# Altium PCB base-32-bit.PcbDoc (part 3 of 3) (continued)
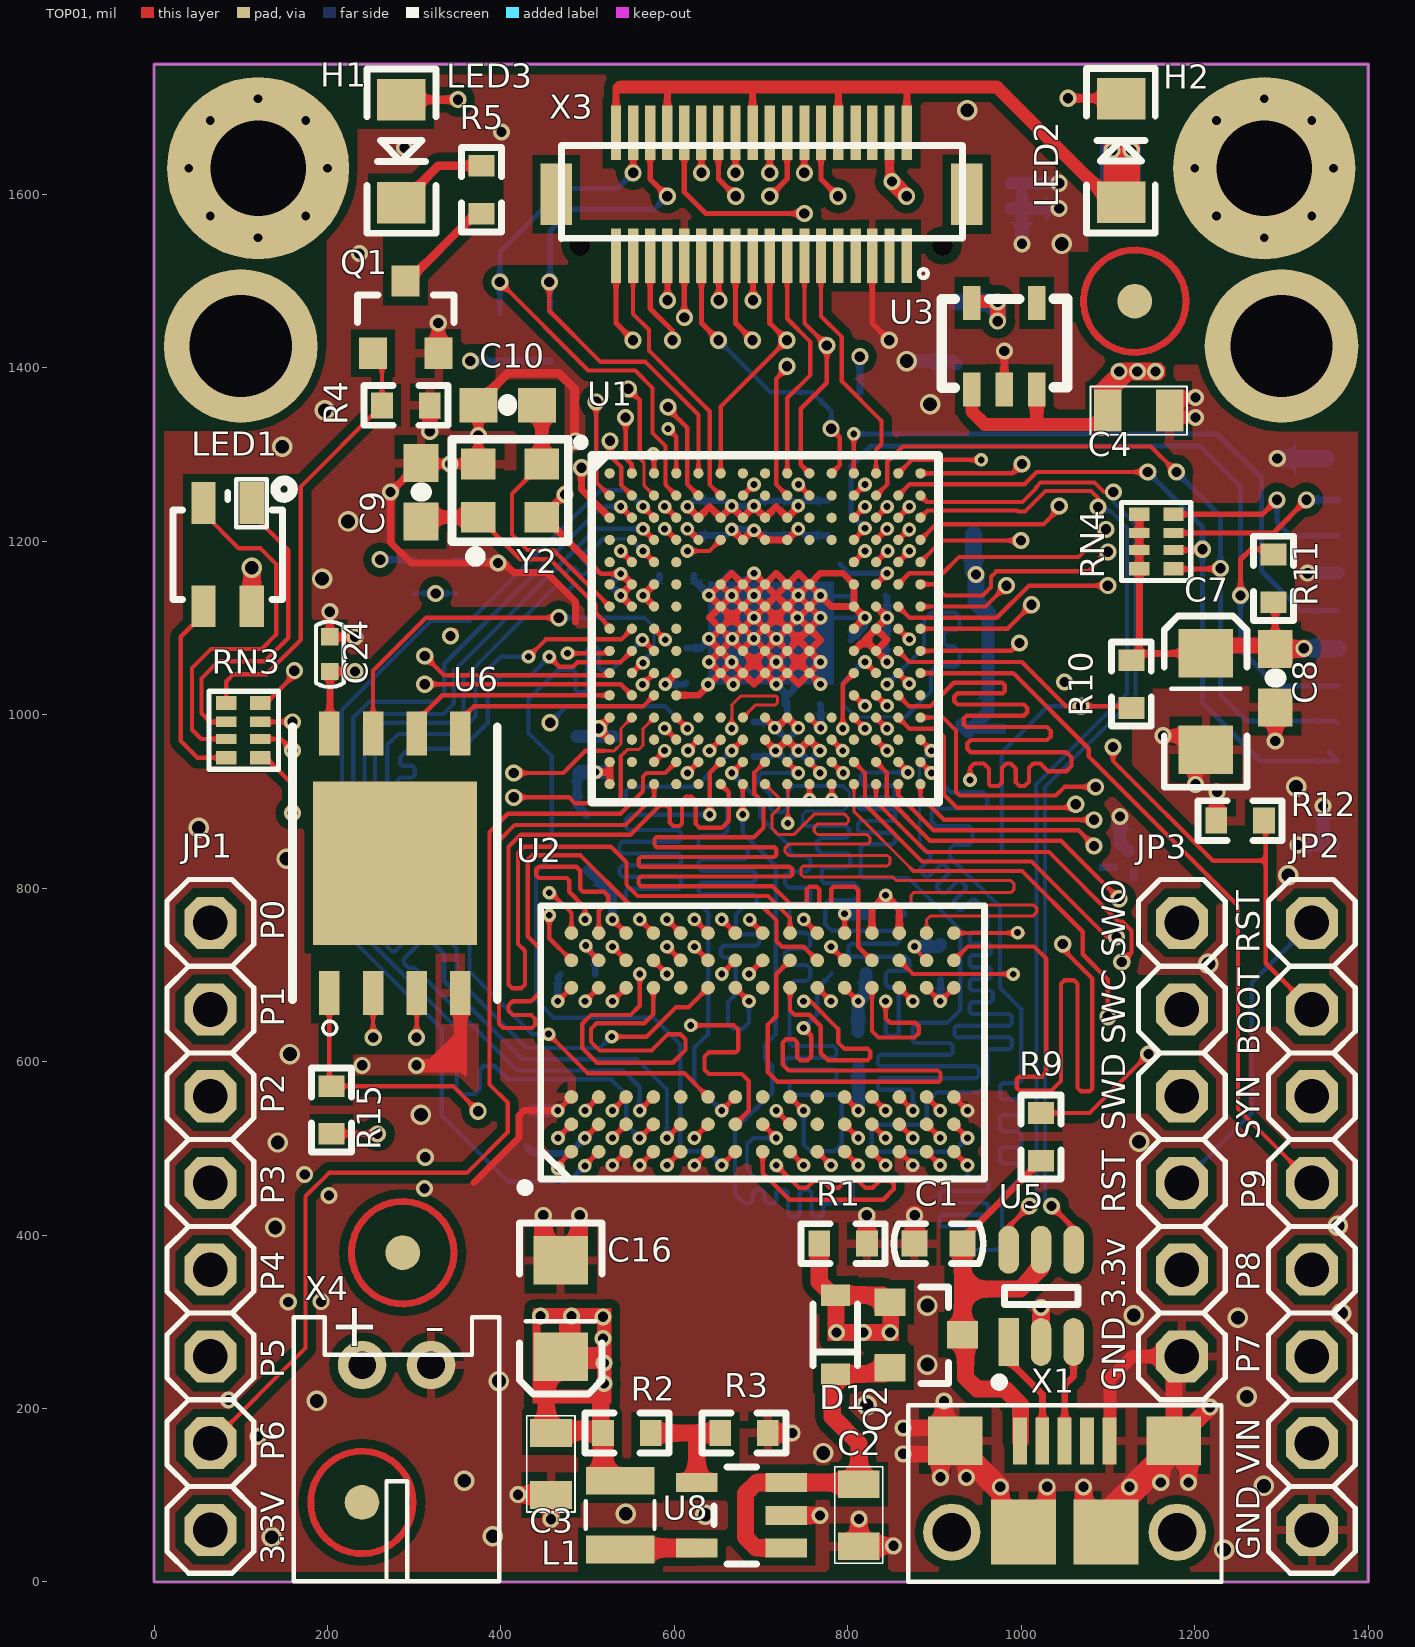
[diagram p0: TOP01 view]
## Nets (pads, with @x,y where several pads share a name; then routed paths per layer and width w, separated by ;. In a path a pad name is that pad's centre, name@x,y a point inside that pad or via, vN(x,y) a via of type N, cw(c..) or ccw(c..) an arc to the next point about the centre after c; other vN are vias at no path point) (continued)
  TOP01 w19.68: U8.1@728.95,39.29 694.16,39.29 681.76,51.69 681.76,101.69 694.76,114.69 U8.3@728.95,114.69 810.76,114.69 C2.2@812.76,112.69 812.76,159.69 782.02,190.43 782.02,239.72 841.37,239.72 Q2.2@848.65,247
SD_CD: R10.2 U1.J14 X2.CD$1 | length 522.9
  TOP01 w5: U1.J14@858.08,1073.47 870.88,1060.67 1000.37,1060.67 1051.35,1009.69 v2(1068.76,1009.69) 1124.76,1009.69 R10.2@1126.76,1007.69
  BOTT06 w5: X2.CD$1@977.36,842.8 977.36,956.29 1030.76,1009.69 v2(1068.76,1009.69)
SDIO_CLK: U1.A12 X2.P$5 | length 751.1
  TOP01 w5: v1(806.76,1323.69) 806.76,1278.33 U1.A12@806.9,1278.19
  BOTT06 w6.02: v1(806.76,1323.69) 1225.76,1323.69 1276.76,1272.69 1276.76,1165.69 1322.69,1119.76 X2.P$5@1365.16,1119.76
SDIO_CMD: R11.2 U1.D12 X2.P$3 | length 980.7
  TOP01 w5: U1.D12@806.9,1201.42 819.69,1214.22 v1(819.69,1214.94)
  TOP01 w6.02: v2(1252.76,1137.45) 1252.76,1178.69 1264.76,1190.69 R11.2@1294.76,1190.69
  BOTT06 w6.02: v1(819.69,1214.94) 803.76,1230.87 803.76,1286.69 826.76,1309.69 1205.76,1309.69 1252.76,1262.69 v2(1252.76,1137.45) 1252.76,1075.15 1294.76,1033.15 X2.P$3@1365.16,1033.15
SDIO_D0: RN4.8 U1.G14 X2.P$7 | length 727.3
  TOP01 w5: U1.G14@858.08,1124.65 871.04,1111.69 971.76,1111.69 1008.76,1148.69 v2(1099.76,1148.69)
  TOP01 w6.02: RN4.8@1175.45,1231.03 1278.1,1231.03 v2(1294.76,1247.69)
  SIG03 w5: v2(1099.76,1148.69) 1198.76,1247.69 v2(1294.76,1247.69)
  BOTT06 w6.02: v2(1294.76,1247.69) 1294.76,1221.69 1310.07,1206.38 X2.P$7@1365.16,1206.38
SDIO_D1: RN4.7 U1.F14 X2.P$8 | length 734.8
  TOP01 w5: U1.F14@858.08,1150.24 870.87,1163.03 909.42,1163.03 928.07,1181.69 1065.76,1181.69 v2(1097.76,1213.69)
  TOP01 w6: RN4.7@1175.45,1209.53 1290.6,1209.53 v2(1328.76,1247.69)
  SIG03 w5: v2(1097.76,1213.69) 1142.76,1213.69 1198.76,1269.69 1306.76,1269.69 v2(1328.76,1247.69)
  BOTT06 w8: v2(1328.76,1247.69) X2.P$8@1365.16,1247.72
SDIO_D2: RN4.6 U1.B14 X2.P$1 | length 823.3
  TOP01 w5: U1.B14@858.08,1252.6 871.17,1265.69 1003.76,1265.69 1017.76,1279.69 v2(1145.76,1279.69)
  TOP01 w6.02: RN4.6@1175.45,1189.69 1207.76,1189.69 v2(1208.76,1190.69)
  BOTT06 w6.02: v2(1145.76,1279.69) 1208.76,1216.69 v2(1208.76,1190.69) 1208.76,1013.69 1275.91,946.54 X2.P$1@1365.16,946.54 X2.P$1@1355.01,956.69
SDIO_D3: RN4.5 U1.B13 X2.P$2 | length 878.7
  TOP01 w5: U1.B13@832.49,1252.6 845.58,1265.69 845.58,1291.51 863.21,1309.14 1149.31,1309.14 v2(1178.76,1279.69)
  TOP01 w6.02: RN4.5@1175.45,1168.04 1229.11,1168.04 v2(1229.76,1168.69)
  BOTT06 w6.02: v2(1178.76,1279.69) 1229.76,1228.69 v2(1229.76,1168.69) 1229.76,1022.69 1259.76,992.69 1362.31,992.69 X2.P$2@1365.16,989.84
SPI2_MISO: JP1.2 U1.R14 | length 1781.5
  TOP01 w5: U1.R14@858.08,919.92 858.08,907.37 898.76,866.69 1065.76,866.69 v2(1083.76,848.69)
  SIG03 w5: JP1.2@65,660 202.76,522.24 202.76,491.25 303.32,390.69 911.76,390.69 1054.76,533.69 1054.76,673.25 1076.76,695.25 1076.76,776.22 1099.76,799.22 1099.76,832.69 v2(1083.76,848.69)
SPI2_MOSI: JP1.1 U1.R15 | length 1831
  TOP01 w5: U1.R15@883.67,919.92 883.67,905.78 910.76,878.69 v2(1083.76,878.69)
  SIG03 w5: JP1.1@65,760 214.76,610.24 214.76,496.22 309.29,401.69 903.76,401.69 1042.76,540.69 1042.76,678.22 1065.76,701.22 1065.76,860.69 v2(1083.76,878.69)
SPI2_NSS: JP1.4 U1.P12 | length 1834.3
  TOP01 w5: U1.P12@806.9,945.51 819.69,932.72 819.69,896.62 885.61,830.69 1011.76,830.69 1098.76,743.69 v2(1109.76,743.69)
  SIG03 w5: JP1.4@65,460 153.45,460 247.76,365.69 1049.76,365.69 1079.76,395.69 1079.76,663.69 1098.42,682.35 1098.42,732.35 v2(1109.76,743.69)
SPI2_SCLK: JP1.3 U1.P13 | length 1780
  TOP01 w5: U1.P13@832.49,945.51 844.76,933.24 844.76,904.69 894.76,854.69 1045.76,854.69 v2(1112.76,787.69)
  SIG03 w5: JP1.3@65,560 118.45,560 299.76,378.69 917.76,378.69 1065.76,526.69 1065.76,668.69 1087.93,690.86 1087.93,762.86 v2(1112.76,787.69)
SPI3_MISO: U1.A9 X3.15 | length 273.1
  TOP01 w5: X3.15@730,1529.13 730,1456.45 756.76,1429.69 756.76,1391.69 730.12,1365.05 U1.A9@730.12,1278.19
SPI3_MOSI: U1.A6 X3.17 | length 290.7
  TOP01 w5: U1.A6@653.35,1278.19 653.35,1355.36 v2(729.69,1431.69)
  TOP01 w6: X3.17@710,1529.13 710,1451.38 v2(729.69,1431.69)
SPI3_SCLK/TRACESWO: JP3.1 U1.A10 X3.13 | length 1179.8
  TOP01 w5: X3.13@750,1529.13 750,1451.38 v2(775.76,1425.62) 775.76,1382.69 745.76,1352.69 745.76,1288.15 U1.A10@755.72,1278.19
  SIG03 w5: v2(775.76,1425.62) 813.69,1387.69 902.76,1387.69 978.76,1311.69 978.76,1265.55 1054.76,1189.55 1054.76,1123.69 1185,993.45 1185,955.93 1167.76,938.69 1167.76,913.93 1185,896.69 JP3.1@1185,760
SPI3_SSEL: U1.A13 X3.11 | length 282.4
  TOP01 w5: X3.11@769,1529.13 769,1459.45 793.1,1435.35 793.1,1384.35 838.76,1338.69 838.76,1311.69 832.49,1305.42 U1.A13@832.49,1278.19
SW: L1.1 U8.5 | length 88.8
  TOP01 w19.68: L1.1@537.76,37.32 L1.1@539.73,39.29
  TOP01 w21.65: L1.1@539.73,39.29 U8.5@625.76,39.29
SWCLK: JP3.2 U1.A14 | length 831.9
  TOP01 w5: U1.A14@858.08,1278.19 873.58,1293.69 v1(953.76,1293.69)
  SIG03 w5: v1(953.76,1293.69) 953.76,1275.69 1042.76,1186.69 1042.76,1115.69 1143.1,1015.35 1143.1,703.36 1142.76,703.02 1142.76,702.24 JP3.2@1185,660
SWDIO: JP3.3 U1.A15 | length 980.7
  TOP01 w5: U1.A15@883.67,1278.19 989.86,1278.19 v2(1000.76,1289.09)
  SIG03 w5: v2(1000.76,1289.09) 1000.76,1257.69 1067.76,1190.69 1067.76,1128.69 1249.76,946.69 1249.76,624.76 JP3.3@1185,560
TIM4_CH1: JP2.6 U1.N13 | length 1097.7
  TOP01 w5: U1.N13@832.49,971.1 v1(845.27,958.3)
  SIG04 w5: v1(845.27,958.3) 872.66,985.69 942.76,985.69 1040.76,887.69 1040.76,852.69 1067.76,825.69 1208.76,825.69 1251.76,782.69 1251.76,343.24 JP2.6@1335,260
TIM4_CH2: JP2.5 U1.M15 | length 998.3
  TOP01 w5: U1.M15@883.67,996.69 909.76,996.69 924.76,981.69 924.76,910.69 928.76,906.69 1039.76,906.69 1049.76,916.69 v2(1085.76,916.69)
  SIG04 w5: v2(1085.76,916.69) 1176.76,916.69 1276.76,816.69 1276.76,418.24 JP2.5@1335,360
VBUS: C1.2 Q2.3 R9.2 U5.5 X1.1 | length 529.2
  TOP01 w8: C1.2@932.02,394.95 R9.2@1022.76,485.69
  TOP01 w19.68: C1.2@932.02,394.95 C1.2@932.02,390 932.02,337.69 ; X1.1@998.82,162.5 998.82,204.63 980.76,222.69 948.76,222.69 935.76,235.69 935.76,281.26 Q2.3@932.02,285 932.02,337.69 ; U5.5@1022.76,382.99 1022.76,361.69 998.76,337.69 932.02,337.69
VCAP1: C12.1 U1.M10 | length 45.4
  TOP01 w5: U1.M10@755.71,996.69 767.71,984.69 v1(768.76,984.69)
  BOTT06 w8: C12.1@767.76,1011.69 768.76,1010.69 v1(768.76,984.69)
VCAP2: C11.1 U1.F13 | length 77
  TOP01 w5: U1.F13@832.49,1150.24 v1(845.28,1163.03)
  BOTT06 w5.91: C11.1@790.76,1173.69 801.42,1163.03 v1(845.28,1163.03)
VCC: C3.2 C4.2 C6.A C7.A C8.1 C16.A C17.1 C18.1 C19.1 C20.1 C21.1 C22.1 C23.1 C24.1 C25.1 C26.1 C27.1 C28.1 C29.1 C30.1 JP1.8 JP3.5 L1.2 L2.2 LED1.A LED2.A R2.2 R6.1 R7.1 R8.1 R10.1 R11.1 R13.2 R14.2 R15.2 RN4.1 RN4.2 RN4.3 RN4.4 U1.C1 U1.C5 U1.C6 U1.C7 U1.C8 U1.C9 U1.F3 U1.G3 U1.G13 U1.H13 U1.J12 U1.J13 U1.K4 U1.N8 U1.N9 U1.N10 U2.A7 U2.B2 U2.B7 U2.C9 U2.D9 U2.E1 U2.F9 U2.L1 U2.L7 U2.M9 U2.N9 U2.P2 U2.P7 U2.R7 U3.1 U3.3 U6.8 X2.P$4 X3.2 X3.10 X3.20 X3.30 X3.36 | length 3821.1
  TOP01 w5: v1(465.55,669.45) U2.A7@481.3,685.2 ; v1@497.04,511.97 U2.B2@512.8,527.72 ; v1(497.05,669.45) U2.B7@512.8,685.2 ; v1(528.54,763.94) U2.C9@544.29,748.19 ; v1(560.04,763.94) U2.D9@575.79,748.19 ; v1(591.53,480.47) U2.E1@607.28,496.22 ; v1(623.03,763.94) U2.F9@638.78,748.19 ; U2.L1@796.26,496.22 v1@812.01,480.47 ; U2.L7@796.26,685.2 v1(812.01,669.45) ; U2.P2@890.75,527.72 v1(906.49,511.97) ; U2.P7@890.75,685.2 v1(906.5,669.45) U2.R7@922.24,685.2
  TOP01 w7.87: R15.2@204.76,516.69 v2(257.76,516.69) ; U1.G3@576.58,1124.65 v1(563.79,1137.44) U1.F3@576.58,1150.24 ; v1(589.39,1035.07) U1.K4@602.17,1047.87 ; v1(614.98,1239.81) U1.C5@627.76,1227.01 640.56,1239.8 U1.C6@653.35,1227.01 666.15,1239.8 U1.C7@678.94,1227.01 691.73,1239.8 U1.C8@704.54,1227.01 ; U1.N8@704.53,971.1 716.66,958.97 v1(716.66,958.31) ; U1.C8@704.54,1227.01 717.34,1239.8 U1.C9@730.13,1227.01 742.76,1239.64 v1(742.76,1240.69) ; v1@717.33,958.3 U1.N9@730.12,971.1 v1(742.92,958.3) 755.71,971.1 767.83,958.98 v1(767.83,958.31) ; U1.J12@806.9,1073.47 819.7,1086.26 ; U1.G13@832.49,1124.65 v1(845.29,1111.85) U1.H13@832.49,1099.06 ; v1(845.29,1060.68) U1.J13@832.49,1073.47 ; R10.1@1126.76,1062.69 R10.1@1136.07,1072 ; R10.1@1136.07,1070.69 R10.1@1136.07,1072 ; RN4.1@1136.07,1231.19 RN4.2@1136.07,1209.53 RN4.3@1136.07,1189.85 RN4.4@1136.07,1168.19 R10.1@1136.07,1072 ; C8.1@1292.76,1075.69 1292.76,1133.69 R11.1@1294.76,1135.69 ; 819.7,1086.26 U1.J13@832.49,1073.47 ; 819.7,1086.26 U1.H13@832.49,1099.06 ; U1.J13@832.49,1073.47 845.29,1086.26 U1.H13@832.49,1099.06
  TOP01 w8: U6.8@202.16,978.29 202.76,978.89 C24.1@202.76,1049.69 v2(231.76,1049.69) ; v2(492.76,1284.69) 492.76,1259.65 U1.C1@525.4,1227.01 ; X3.36@532.68,1671 532.68,1723.61 535.76,1726.69 544.29,1726.69 ; X3.30@591.81,1670.28 591.81,1716.89 ; X3.20@690.16,1671 690.16,1717.61 ; X3.10@789,1671 789,1717.61 ; U2.M9@827.76,748.19 827.76,775.95 v1(843.5,791.69) 859.25,775.94 U2.N9@859.25,748.19 ; X3.2@868,1671 868,1717.61 ; R10.1@1136.07,1070.69 C7.A@1207.76,1070.69
  TOP01 w15: LED1.A@112.56,1125 v3(112.56,1169.49) ; 538.76,1723.69 971.76,1723.69 1104.51,1590.94 LED2.A@1115,1590.94 ; U3.1@942.96,1374.69 942.96,1349.49 957.76,1334.69 1083.76,1334.69 C4.2@1099.76,1350.69 1099.76,1382.69 v2(1112.76,1395.69) ; 1017.76,1336.69 U3.3@1017.76,1374.69
  TOP01 w19.68: C16.A@452.36,273.29 452.36,183.52 C3.2@457.76,178.12 ; C16.A@461.76,251.69 C16.A@469.76,259.69
  TOP01 w20: C8.1@1292.76,1075.69 1324.99,1075.69 v2(1325.76,1076.46)
  TOP01 w21.65: C3.2@457.76,178.12 461.19,174.69 514.76,174.69 R2.2@517.76,171.69 517.76,121.69 522.76,116.69 L1.2@537.76,116.69
  BOTT06 w7.87: v1(563.79,1137.44) 582.76,1156.42 C25.1@582.76,1160.69 ; v1(589.39,1035.07) 612.14,1035.07 C22.1@613.76,1036.69 ; v1(614.98,1239.81) 621.86,1246.69 C17.1@645.76,1246.69 659.26,1246.69 666.15,1239.8 691.73,1239.8 698.62,1246.69 C23.1@715.76,1246.69 736.76,1246.69 v1(742.76,1240.69) 748.76,1246.69 C18.1@776.76,1246.69 ; v1(716.66,958.31) 717.33,958.31 730.12,945.51 755.71,971.1 767.83,958.98 v1(767.83,958.31) ; v1(742.92,958.3) 755.71,945.51 767.83,957.63 v1(767.83,958.31) ; v1@768.5,958.31 v1(767.83,958.31) ; C20.1@843.76,1136.69 845.29,1135.16 v1(845.29,1111.85) 845.29,1087.76 C21.1@843.76,1086.24 843.76,1062.2 v1(845.29,1060.68)
  BOTT06 w8: v2(260.76,1178.69) R13.2@299.76,1178.69 ; v2(364.76,1407.69) R7.1@398.76,1407.69 R6.1@456.76,1407.69 ; C26.1@429.76,501.69 437.63,493.82 478.89,493.82 495.76,510.69 v1@496.76,510.69 ; v1(465.55,669.45) 465.55,697.48 C30.1@468.76,700.69 ; C19.1@691.76,951.69 710.71,951.69 716.66,957.64 v1(716.66,958.31) ; R14.2@813.76,1371.69 v2(813.76,1412.69) ; v1(843.5,791.69) 864.76,770.43 C29.1@864.76,769.69 ; v1(906.5,669.45) 906.76,669.71 C27.1@906.76,694.69
  BOTT06 w10: L2.2@498.76,821.19 528.54,791.41 v1(528.54,763.94)
  BOTT06 w15: C28.1@811.76,634.69 811.76,669.2 v1(812.01,669.45) 820.76,678.2 R8.1@820.76,701.69
  BOTT06 w19.68: v2(1325.76,1076.46) X2.P$4@1365.16,1076.46
  other v1: 812.01,480.47 496.76,511.97 666.15,1240.69 691.73,1240.69
  other v2: 518.76,228.69 518.76,252.36 517.76,280.69 517.76,305.69 445.76,306.69 481.43,306.69 1133.76,1395.69 1154.76,1395.69 1104.76,1650.69 1126.76,1650.69
VDDA: C5.2 U3.5 X3.4 | length 299.1
  TOP01 w10: X3.4@848,1671 848,1617.45 v2(850.76,1614.69)
  SIG03 w19.68: v2(867.76,1597.69) 915.76,1597.69 972.76,1540.69 v2(972.76,1475.69)
  BOTT06 w19.68: C5.2@924.76,1475.69 v2(972.76,1475.69)
  other v2: 972.76,1453.69
VIN: D1.2 JP2.7 Q2.1 R1.2 X4.1 | length 1300.1
  TOP01 w19.68: R1.2@767.02,390 767.02,346 782.02,331 840.05,331 Q2.1@848.65,322.4
  SIG03 w19.68: X4.1@240,250 316.31,173.69 604.76,173.69 718.76,287.69 v2(786.76,287.69) ; v2(848.76,287.69) 999.76,287.69 1127.45,160 JP2.7@1335,160
  other v2: 817.76,287.69
pads on no net: H1.B2,8 H2.B2,8 U1.A1 U1.A7 U1.A8 U1.B8 U1.B11 U1.C10 U1.C11 U1.D1 U1.D2 U1.D10 U1.D11 U1.E1 U1.E4 U1.F1 U1.F4 U1.G4 U1.H4 U1.J4 U1.L15 U1.M5 U1.M6 U1.M11 U1.N2 U1.N3 U1.N12 U1.N14 U1.P2 U1.R2 U1.R4 U1.R5 U2.E3 U2.E7 U2.H3 U2.H7 U2.K2 U2.K3 U3.4 U6.0 X1.4 X1.S1 X1.S2 X3.1 X3.3 X3.6 X3.7 X3.8 X3.9 X3.F1 X3.F2
copper on no net: | length 1855.3
  TOP01 w7.87: 298.82,91.69 ccw(c239.76,91.69) 298.82,91.69 ; 345.82,379.69 ccw(c286.76,379.69) 345.82,379.69 ; 1189.82,1476.69 ccw(c1130.76,1476.69) 1189.82,1476.69
  BOTT06 w7.87: 345.82,379.69 ccw(c286.76,379.69) 345.82,379.69 ; 1189.82,1476.69 ccw(c1130.76,1476.69) 1189.82,1476.69
  other v4: 120,1550 1280,1550 65,1575 175,1575 1225,1575 1335,1575 40,1630 200,1630 1200,1630 1360,1630 65,1685 175,1685 1225,1685 1335,1685 120,1710 1280,1710

## Polygon pours and split planes (outlines as drawn)
GND on SIG04 "GND" (solid, remove dead copper, pour order 27): -0.48,1749.38 -0.48,-0.31 1399.28,-0.31 1399.28,1749.69
GND on SIG03 "GND" (solid, remove dead copper, pour order 29): -0.48,1749.38 -0.48,-0.31 1399.28,-0.31 1399.28,1749.69
GND on TOP01 "GND" (solid, remove dead copper, pour order 33): -0.48,1749.38 -0.48,-0.31 1399.28,-0.31 1399.28,1749.69
GND on BOTT06 "GND" (solid, remove dead copper, pour order 35): -0.48,1749.38 -0.48,-0.31 1399.28,-0.31 1399.28,1749.69
GND on GND02 (split plane): 1379.9,20.1 20.1,20.1 20.1,1729.9 1379.9,1729.9
VCC on PWR05 (split plane): 1379.9,20.1 20.1,20.1 20.1,1729.9 1379.9,1729.9

## Keep-outs
Keep-Out Layer:
  the board outline again, w3.94

## Other copper
TOP01:
  rectangle net VCC: 509.76,248.69 527.76,271.69
  rectangle net VCC: 481.76,245.69 518.76,270.69
  region net VCC: 491.76,269.69 491.76,306.69 466.76,306.69 466.76,269.69
  region net VCC: 479.76,297.69 479.76,315.69 456.76,315.69 456.76,297.69
  rectangle net VCC: 436.76,297.69 523.76,315.69
  rectangle net VCC: 510.76,210.69 527.76,315.69
  rectangle net VCC: 436.53,205.69 527.76,221.69
  rectangle net VCC: 436.53,210.69 445.76,311.69
  rectangle net VCC: 1207.76,1070.69 1305.76,1088.69
  rectangle net VIN: 776.76,284.69 796.26,336.26
  rectangle net VIN: 776.76,277.69 858.76,297.69
  rectangle net VIN: 840.05,284.69 858.76,331
  rectangle net VCC: 505.19,176.69 525.4,215.41
  rectangle net VDDA: 963.76,1453.69 981.76,1475.69
  rectangle net VDDA: 941.76,1468.69 972.76,1483.69
  rectangle net VCC: 1094.76,1607.69 1136.76,1660.69
  pour cut-out: 166.37,1277.9 33.16,1277.9 33.16,1150.24 166.37,1150.24 166.37,1277.9
  pour cut-out: 685.26,176.69 685.26,185.69 658.76,185.69 658.76,123.69 675.1,123.69 675.1,176.69
  pour cut-out: 499.62,215.41 499.62,189.69 510.76,189.69 510.76,215.41
  pour cut-out: 939.08,566.18 997.76,566.18 997.76,594.51 939.28,594.51 939.28,565.17
  pour cut-out: 1127.58,731.27 1127.58,699.84 1201.76,699.84 1201.76,620.16 1204.92,620.16 1204.92,540.08 1081.76,540.08 1081.76,731.27
  pour cut-out: 1354.92,720.16 1354.92,646.69 1295.16,646.69 1295.16,640.08 1255.76,640.08 1255.76,720.16
  pour cut-out: 1127.76,985.69 1127.76,921.57 1147.6,921.57 1147.6,872.69 1261.76,872.69 1261.76,858.69 1164.76,858.69 1164.76,882.69 1141.76,882.69 1141.76,909.69 1115.76,909.69 1115.76,985.69
  pour cut-out: 1315.6,1162.35 1315.6,1152.03 1301.76,1152.03 1301.76,1162.35
  pour cut-out: 1254.1,1032.85 1269.76,1032.85 1269.76,1043.69 1151.6,1043.69 1137.95,1030.03 1151.6,1030.03 1254.1,1030.03
  pour cut-out: 1197.76,1277.69 1197.76,1244.69 1188.76,1244.69 1188.76,1275.69 1192.76,1275.69
  pour cut-out: 1300,1326.1 1400,1326.1 1400,1352.69 1300,1352.69
  pour cut-out: 1054.1,1451.85 1130.76,1451.85 1130.76,1403.5 1300,1403.5 1300,1346.69 1303.76,1346.69 1303.76,1533.69 1054.1,1533.69
  pour cut-out: 608.44,1442.12 624.59,1442.12 624.59,1435.69 610.28,1435.69 610.28,1439.37
  pour cut-out: 398.76,1518.76 491.62,1518.76 491.62,1570.47 516.83,1570.47 516.83,1482.69 398.76,1482.69
  pour cut-out: 247.16,1675.21 235.2,1675.21 235.2,1630 209.76,1630 209.76,1686.69 247.16,1686.69
  pour cut-out: 206.76,1675.21 206.76,1570.69 198.9,1570.69 198.9,1425 144.76,1425 144.76,1675.21
  pour cut-out: 264.12,1559.69 283.76,1559.69 283.76,1527.9 264.12,1527.9
  pour cut-out: 402.6,1600.03 402.6,1614.69 394.76,1614.69 394.76,1600.03
  pour cut-out: 332.96,1388.69 332.96,1378.69 393.76,1378.69 393.76,1427.76 364.76,1427.76
  pour cut-out: 417.61,1326.85 473.6,1326.85 473.6,1255.23 332.76,1255.23 332.76,1279.09 403.59,1279.09 403.59,1281.69 417.61,1281.69
  pour cut-out: 136.4,1277.9 167.76,1277.9 167.76,1265.4 135.76,1265.4 135.76,1272.69 136.4,1272.69
  pour cut-out: 80.84,1160.69 117.76,1160.69 117.76,1153.69 80.84,1153.69
  pour cut-out: 508.38,997.66 523.91,997.66 523.91,971.1 493.76,971.1 493.76,997.69
  pour cut-out: 180.52,728.69 374.94,728.69 374.94,714.67 358.35,714.67 358.35,725.69 324.61,725.69 324.61,607.62 229.6,607.62 229.6,583.95 190.35,583.95 190.35,643.65 180.52,643.65
  region net GND: 306.76,587.69 353.76,587.69 358.76,582.69 360.76,584.69 360.76,638.52 360.85,638.61
  region net VDDA: 846.76,1605.69 859.76,1592.69 867.76,1592.69 867.76,1596.45 875,1603.69 857,1621.69 850.76,1621.69
  region net VCC: 1112.76,1385.69 1160.76,1385.69 1165.76,1390.69 1165.76,1400.69 1160.76,1405.69 1112.76,1405.69
  region net GND: 901.76,134.69 928.76,134.69 970.76,92.69 972.76,94.69 985.76,94.69 985.76,115.69 951.76,149.69
  region net GND: 1086.76,76.69 1086.76,86.69 1147.76,147.69 1158.76,136.69 1179.76,136.69 1124.76,81.69
  region net VCC: 1128.76,1386.69 1126.76,1386.69 1126.76,1385.69 1112.76,1371.69 1086.76,1371.69 1083.76,1374.69 1083.76,1376.69 1112.76,1405.69
  pour cut-out: 1077.16,1557.1 1077.16,1527.29 1085.76,1518.69 1090.76,1523.69 1090.76,1558.69
  pour cut-out: 327.96,1103.69 357.76,1103.69 378.76,1082.69 362.76,1066.69 332.02,1066.69
  pour cut-out: 1067.76,1070.69 1046.76,1070.69 1025.76,1049.69 1025.76,1035.28 1049.76,1011.28 1055.06,1016.58 1075.79,1016.58
  pour cut-out: 91.76,1326.69 -9.24,1326.69 -18.24,1335.69 25.76,1379.69 75.76,1379.69
  pour cut-out: 628.34,1207.3 780.47,1207.3 817.84,1169.93 817.84,1033.22 768.31,983.69 605.76,983.69 588.76,1000.69 589.76,1001.69 589.76,1133.69
  text "TOP01" at -34.24,-153.31 h70.87
SIG03:
  rectangle net GND: 321.3,620.01 327.53,635.37
  region net VIN: 882.76,297.69 787.76,297.69 786.76,296.69 786.76,277.69 877.76,277.69 889.76,289.69
  pour cut-out: 886.45,1589.95 863.76,1567.26 863.76,1524.69 883.22,1505.23 911.08,1505.23 933.66,1482.65 933.66,1438.51 926.58,1438.51 920.76,1432.69 920.76,1348.69 898.76,1326.69 888.76,1336.69 700.76,1336.69 605.76,1431.69 591.73,1431.69 591.73,1500.72 589.76,1502.69 713.76,1626.69 852.76,1626.69 853.76,1627.69
  pour cut-out: 490.26,1337.51 492.94,1337.51 525.76,1304.69 525.76,1295.62 562.77,1295.62 575.76,1282.63 622.73,1282.63 652.78,1252.58 678.92,1252.58 691.74,1265.41 669.76,1287.39 586.88,1370.69 490.26,1370.69
  pour cut-out: 252.76,607.62 302.76,607.62 290.37,620.01 265.15,620.01
  pour cut-out: 45.08,620.16 73.76,620.16 73.76,585.69 179.76,585.69 179.76,629.69 198.76,629.69 198.76,562.69 45.08,562.69
  pour cut-out: 218.76,445.69 218.76,427.69 173.76,427.69 173.76,360.69 232.76,360.69 232.76,431.69
  pour cut-out: 140.07,248.18 241.76,248.18 241.76,340.08 210.65,340.08 210.65,285.69 173.76,285.69
  pour cut-out: 1143.76,535.69 1105.76,535.69 1105.76,720.16 1204.92,720.16 1204.92,691.69 1246.76,691.69 1246.76,629.24 1265.76,629.24 1303.76,591.24 1303.76,538.69 1186.76,538.69 1181.76,533.69 1180.76,534.69 1151.76,534.69
  pour cut-out: 1142.76,1015.69 1166.76,1015.69 1192.76,989.69 1192.76,975.69 1155.76,938.69 1130.76,963.69 1130.76,976.69
  pour cut-out: 929.76,1186.69 952.76,1186.69 971.76,1167.69 950.76,1146.69 927.76,1146.69
  pour cut-out: 1145.76,1299.76 1064.83,1299.76 1056.76,1291.69 1068.76,1279.69 1145.76,1279.69
  pour cut-out: 836.59,560.15 836.59,576.87 950.76,576.87 950.76,524.74 843.5,524.74 843.5,561.52
  region net VDDA: 841.76,1610.69 862.76,1589.69 870.76,1589.69 870.76,1597.69 875.76,1602.69 858.76,1619.69 850.76,1619.69
  region net VDDA: 963.76,1476.69 963.76,1454.69 964.76,1453.69 965.76,1454.69 981.76,1454.69 981.76,1475.69 980.76,1476.69
  pour cut-out: 436.18,573.69 436.18,634.11 439.76,637.69 439.86,637.59 439.86,582.59
  pour cut-out: 801.28,550.37 802.16,550.37 810.62,558.83 820.89,548.56 820.89,538.92 810.64,528.66 805.1,528.66
  pour cut-out: 1105.83,916.69 1150.76,916.69 1150.76,862.88 1097.76,862.88 1097.76,915.69
  pour cut-out: 972.76,1433.62 972.76,1396.69 937.99,1396.69 937.99,1447.69 960.76,1447.69
  pour cut-out: 1036.76,1050.69 1055.76,1050.69 1075.76,1030.69 1058.76,1013.69 1036.76,1013.69
  text "SIG03" at 446.67,-153.31 h70.87
SIG04:
  pour cut-out: 709.92,1577.62 591.36,1577.62 591.36,1599.82 616.23,1624.69 767.05,1624.69 773.98,1617.76 788.76,1617.76 788.76,1577.62 782.51,1577.62 761.58,1556.69 740.58,1577.69 710.27,1577.69
  pour cut-out: 632.24,1439.37 595.44,1439.37 583.76,1427.69 637.76,1427.69 640.76,1424.69 640.76,1430.86
  pour cut-out: 780.76,1349.76 749.05,1349.76 749.05,1401.69 723.76,1401.69 723.76,1328.69 780.76,1328.69
  pour cut-out: 414.76,952.76 436.69,952.76 436.69,983.16 463.16,983.16 463.16,945.69 414.76,945.69
  pour cut-out: 145.57,944.5 145.57,892.69 166.79,892.69 166.79,951.8
  pour cut-out: 425.76,878.33 425.76,806.69 439.76,806.69 439.76,878.33
  pour cut-out: 512.41,763.94 512.41,717.69 483.76,717.69 483.76,763.94
  pour cut-out: 497.05,451.69 497.05,480.47 515.1,480.47 515.1,493.91 573.47,493.91 573.47,480.47 609.59,480.47 609.59,493.91 623.03,493.91 623.03,511.97 641.09,511.97 641.09,525.4 689.76,525.4 689.76,537.69 465.55,537.69 465.55,451.69
  pour cut-out: 1100.46,903.26 1133.76,903.26 1133.76,864.69 1096.26,864.69 1096.26,900.03
  pour cut-out: 1165.08,699.84 1119.11,699.84 1119.11,787.69 1132.83,787.69 1132.83,819.69 1076.76,819.69 1076.76,682.69 1165.08,682.69
  pour cut-out: 1354.92,320.16 1335.76,320.16 1335.76,287.69 1354.92,287.69
  pour cut-out: 608.76,464.69 780.51,464.69 780.51,392.69 1064.76,392.69 1064.76,585.69 608.76,585.69
  pour cut-out: 1151.5,476.75 1108.76,476.75 1108.76,456.69 1151.5,456.69
  pour cut-out: 1204.92,620.16 1204.92,488.69 1108.63,488.69 1108.63,620.16
  text "SIG04" at 679.63,-153.31 h70.87
BOTT06:
  rectangle net GND: 947.76,977.74 982.09,989.84
  rectangle net GND: 1125.03,807.69 1133.76,822.69
  rectangle net GND: 1089.59,819.69 1110.76,828.62
  rectangle net NetC13_1: 487.76,925.69 526.76,941.69
  rectangle net VCC: 1090.76,1598.69 1137.76,1660.69
  rectangle net GND: 638.76,1034.69 783.76,1153.69
  pour cut-out: 775.76,1445.69 662.76,1445.69 662.76,1430.69 775.76,1430.69
  pour cut-out: 419.76,553.69 419.76,535.01 409.76,535.01 409.76,553.69
  pour cut-out: 328.76,1174.69 310.76,1174.69 310.76,1165.69 328.76,1165.69
  pour cut-out: 572.51,1624.69 572.51,1617.76 591.53,1617.76 591.53,1608.69 565.76,1608.69 565.76,1624.69
  pour cut-out: 769.83,1624.69 769.83,1617.76 781.08,1617.76 781.08,1579.15 670.76,1579.15 670.76,1624.69
  pour cut-out: 373.92,1440.35 373.92,1385.35 481.6,1385.35 481.6,1440.35
  pour cut-out: 796.76,1186.69 796.76,1195.6 803.07,1195.6 803.07,1186.69
  pour cut-out: 1083.76,828.62 1038.77,828.62 1038.77,848.69 1083.76,848.69
  region net VDDA: 954.76,1468.69 962.76,1460.69 962.76,1453.69 982.76,1453.69 982.76,1476.69 980.76,1478.69 977.76,1475.69 972.76,1475.69
  pour cut-out: 1085.76,1746.69 1085.76,1504.69 1171.42,1419.03 1171.42,1412.35 1154.76,1395.69 1163.3,1387.15 1210.3,1387.15 1238.76,1358.69 1280,1399.93 1280,1731.45 1264.76,1746.69
  pour cut-out: 235.76,1744.69 235.76,1582.85 197.96,1545.04 197.96,1415.37 189.27,1415.37 100,1326.1 -47.65,1326.1 -78.24,1356.69 -78.24,1601.69 25.76,1705.69
  pour cut-out: 1105.18,919.97 1105.18,935.89 1124.3,955.01 1122.62,956.69 1094.76,956.69
  text "BOTT06" at 1412.76,-153.31 h70.87
GND02 (plane layer: these items are gaps in the copper):
  text "GND02" at 198.72,-153.31 h70.87
PWR05 (plane layer: these items are gaps in the copper):
  text "PWR05" at 912.58,-153.31 h70.87
Multi-Layer:
  pour cut-out: 1176.11,1630 ccw(c1280,1630) 1280,1526.11 ccw(c1280,1630) 1383.89,1630 ccw(c1280,1630) 1280,1733.89 ccw(c1280,1630)
  pour cut-out: 16.11,1630 ccw(c120,1630) 120,1526.11 ccw(c120,1630) 223.89,1630 ccw(c120,1630) 120,1733.89 ccw(c120,1630)

## Silkscreen, mask and mechanical layers (free items; w line width, h text height)
Top Overlay:
  region: 506.76,1277.69 524.76,1295.69 524.76,1299.05 504.54,1299.05
  lines w5: 95,1216 95,1271.5 130,1271.5 130,1216 95,1216
  text "P0" at 150,740 h27.2 r90
  text "RST" at 1275,725 h27.2 r90
  text "SWO" at 1120,720 h27.2 r90
  text "P1" at 150,640 h27.2 r90
  text "SWC" at 1120,620 h27.2 r90
  text "BOOT" at 1275,607.5 h25.5 r90
  text "P2" at 150,540 h27.2 r90
  text "SWD" at 1120,520 h27.2 r90
  text "SYN" at 1275,510 h27.2 r90
  text "P3" at 150,435 h27.2 r90
  text "P9" at 1280.44,429.56 h27.2 r90
  text "RST" at 1120,425 h27.2 r90
  text "P4" at 150,335 h27.2 r90
  text "P8" at 1275,335 h27.2 r90
  text "3.3v" at 1120,315 h27.2 r90
  text "P7" at 1275,240 h27.2 r90
  text "P5" at 150,235 h27.2 r90
  text "GND" at 1120,220 h27.2 r90
  text "P6" at 150,140 h27.2 r90
  text "VIN" at 1275,125 h27.2 r90
  text "GND" at 1275,25 h27.2 r90
  text "3.3V" at 150,20 h27.2 r90
Bottom Overlay:
  drawing of 1941 lines, arcs and shapes, not listed
  text "https://openmv.io" at 885.76,1559.69 h27.2
  text "OpenMV-H7-Plus R4" at 886.2,1486.94 h27.2
  text "29/12/2019" at 886.2,1435.69 h27.2
  text "LED1=Red" at 300.76,1047.69 h27.2
  text "LED2=Green" at 295.76,992.69 h27.2
  text "LED3=Blue" at 295.76,942.69 h27.2
  text "LED4=IR" at 295.76,887.69 h27.2
  text "RST" at 1253.2,744.69 h27.2 r270
  text "P0" at 125,740 h27.2 r270
  text "SWO" at 1091.76,724 h27.2 r270
  text "P1" at 125,640 h27.2 r270
  text "SWC" at 1091.76,624 h27.2 r270
  text "BOOT" at 1255.24,621.69 h25.5 r270
  text "P2" at 125,540 h27.2 r270
  text "SYN" at 1253.2,524.69 h27.2 r270
  text "SWD" at 1091.76,524 h27.2 r270
  text "P3" at 125,435 h27.2 r270
  text "P9" at 1247.76,434.69 h27.2 r270
  text "RST" at 1091.76,429 h27.2 r270
  text "P8" at 1253.2,337.69 h27.2 r270
  text "P4" at 125,335 h27.2 r270
  text "3.3v" at 1091.76,310.69 h27.2 r270
  text "P7" at 1253.2,239.69 h27.2 r270
  text "P5" at 125,235 h27.2 r270
  text "GND" at 1091.76,209.69 h27.2 r270
  text "P6" at 125,140 h27.2 r270
  text "VIN" at 1253.2,131 h27.2 r270
  text "GND" at 1253.2,31 h27.2 r270
  text "3.3V" at 123.76,16.69 h27.2 r270
Dimension:
  the board outline again, w0
Mechanical 15:
  lines w5: 0,1425 ccw(c112.5,1422.5) 110,1310 375,1310 375,1100 1025,1100 1025,1310 1290,1310 ccw(c1287.5,1422.5) 1400,1425 ccw(c1287.5,1427.5) 1290,1540 1025,1540 1025,1750 375,1750 375,1540 110,1540 ccw(c112.5,1427.5) 0,1425

## Dimensions
120,1630 to 1280,1630 on Mechanical 15
100,1425 to 1300,1425 on Mechanical 15
0,1750 to 1400,1750 on Mechanical 15
1400,1750 to 1400,0 on Mechanical 15

## Text inside footprints (layer, text, board x,y; h text height)
X4: Top Overlay "+" at 260,332.52 h86.8 r180; Top Overlay "-" at 336.26,324.65 h86.8 r180